# Altium PCB DIOT_Backplane.pcbdoc (part 10 of 11) (continued)
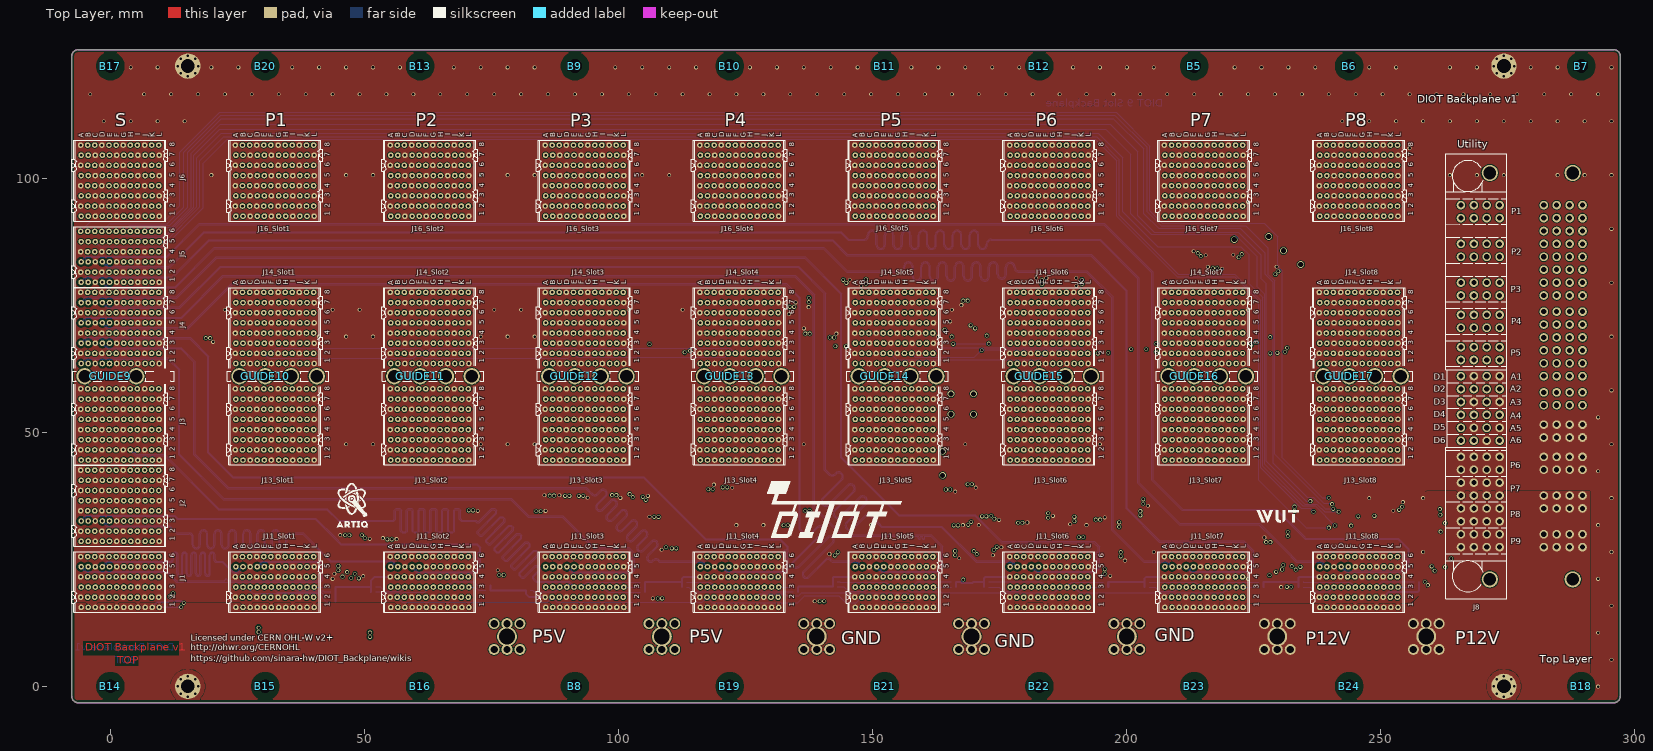
[diagram p0: Top Layer view]
## Nets (pads, with @x,y where several pads share a name; then routed paths per layer and width w, separated by ;. In a path a pad name is that pad's centre, name@x,y a point inside that pad or via, vN(x,y) a via of type N, cw(c..) or ccw(c..) an arc to the next point about the centre after c; other vN are vias at no path point) (continued)
"IO80_Peripheral Slot 4": J13_Slot4.B6 J23_Slot4.B6
"IO80_Peripheral Slot 5": J13_Slot5.B6 J23_Slot5.B6
"IO80_Peripheral Slot 6": J13_Slot6.B6 J23_Slot6.B6
"IO80_Peripheral Slot 7": J13_Slot7.B6 J23_Slot7.B6
"IO80_Peripheral Slot 8": J13_Slot8.B6 J23_Slot8.B6
"IO81_Peripheral Slot 1": J13_Slot1.C6 J23_Slot1.C6
"IO81_Peripheral Slot 2": J13_Slot2.C6 J23_Slot2.C6
"IO81_Peripheral Slot 3": J13_Slot3.C6 J23_Slot3.C6
"IO81_Peripheral Slot 4": J13_Slot4.C6 J23_Slot4.C6
"IO81_Peripheral Slot 5": J13_Slot5.C6 J23_Slot5.C6
"IO81_Peripheral Slot 6": J13_Slot6.C6 J23_Slot6.C6
"IO81_Peripheral Slot 7": J13_Slot7.C6 J23_Slot7.C6
"IO81_Peripheral Slot 8": J13_Slot8.C6 J23_Slot8.C6
"IO82_Peripheral Slot 1": J13_Slot1.E6 J23_Slot1.E6
"IO82_Peripheral Slot 2": J13_Slot2.E6 J23_Slot2.E6
"IO82_Peripheral Slot 3": J13_Slot3.E6 J23_Slot3.E6
"IO82_Peripheral Slot 4": J13_Slot4.E6 J23_Slot4.E6
"IO82_Peripheral Slot 5": J13_Slot5.E6 J23_Slot5.E6
"IO82_Peripheral Slot 6": J13_Slot6.E6 J23_Slot6.E6
"IO82_Peripheral Slot 7": J13_Slot7.E6 J23_Slot7.E6
"IO82_Peripheral Slot 8": J13_Slot8.E6 J23_Slot8.E6
"IO83_Peripheral Slot 1": J13_Slot1.F6 J23_Slot1.F6
"IO83_Peripheral Slot 2": J13_Slot2.F6 J23_Slot2.F6
"IO83_Peripheral Slot 3": J13_Slot3.F6 J23_Slot3.F6
"IO83_Peripheral Slot 4": J13_Slot4.F6 J23_Slot4.F6
"IO83_Peripheral Slot 5": J13_Slot5.F6 J23_Slot5.F6
"IO83_Peripheral Slot 6": J13_Slot6.F6 J23_Slot6.F6
"IO83_Peripheral Slot 7": J13_Slot7.F6 J23_Slot7.F6
"IO83_Peripheral Slot 8": J13_Slot8.F6 J23_Slot8.F6
"IO84_Peripheral Slot 1": J13_Slot1.H6 J23_Slot1.H6
"IO84_Peripheral Slot 2": J13_Slot2.H6 J23_Slot2.H6
"IO84_Peripheral Slot 3": J13_Slot3.H6 J23_Slot3.H6
"IO84_Peripheral Slot 4": J13_Slot4.H6 J23_Slot4.H6
"IO84_Peripheral Slot 5": J13_Slot5.H6 J23_Slot5.H6
"IO84_Peripheral Slot 6": J13_Slot6.H6 J23_Slot6.H6
"IO84_Peripheral Slot 7": J13_Slot7.H6 J23_Slot7.H6
"IO84_Peripheral Slot 8": J13_Slot8.H6 J23_Slot8.H6
"IO85_Peripheral Slot 1": J13_Slot1.I6 J23_Slot1.I6
"IO85_Peripheral Slot 2": J13_Slot2.I6 J23_Slot2.I6
"IO85_Peripheral Slot 3": J13_Slot3.I6 J23_Slot3.I6
"IO85_Peripheral Slot 4": J13_Slot4.I6 J23_Slot4.I6
"IO85_Peripheral Slot 5": J13_Slot5.I6 J23_Slot5.I6
"IO85_Peripheral Slot 6": J13_Slot6.I6 J23_Slot6.I6
"IO85_Peripheral Slot 7": J13_Slot7.I6 J23_Slot7.I6
"IO85_Peripheral Slot 8": J13_Slot8.I6 J23_Slot8.I6
"IO86_Peripheral Slot 1": J13_Slot1.K6 J23_Slot1.K6
"IO86_Peripheral Slot 2": J13_Slot2.K6 J23_Slot2.K6
"IO86_Peripheral Slot 3": J13_Slot3.K6 J23_Slot3.K6
"IO86_Peripheral Slot 4": J13_Slot4.K6 J23_Slot4.K6
"IO86_Peripheral Slot 5": J13_Slot5.K6 J23_Slot5.K6
"IO86_Peripheral Slot 6": J13_Slot6.K6 J23_Slot6.K6
"IO86_Peripheral Slot 7": J13_Slot7.K6 J23_Slot7.K6
"IO86_Peripheral Slot 8": J13_Slot8.K6 J23_Slot8.K6
"IO87_Peripheral Slot 1": J13_Slot1.L6 J23_Slot1.L6
"IO87_Peripheral Slot 2": J13_Slot2.L6 J23_Slot2.L6
"IO87_Peripheral Slot 3": J13_Slot3.L6 J23_Slot3.L6
"IO87_Peripheral Slot 4": J13_Slot4.L6 J23_Slot4.L6
"IO87_Peripheral Slot 5": J13_Slot5.L6 J23_Slot5.L6
"IO87_Peripheral Slot 6": J13_Slot6.L6 J23_Slot6.L6
"IO87_Peripheral Slot 7": J13_Slot7.L6 J23_Slot7.L6
"IO87_Peripheral Slot 8": J13_Slot8.L6 J23_Slot8.L6
"IO88_Peripheral Slot 1": J13_Slot1.A7 J23_Slot1.A7
"IO88_Peripheral Slot 2": J13_Slot2.A7 J23_Slot2.A7
"IO88_Peripheral Slot 3": J13_Slot3.A7 J23_Slot3.A7
"IO88_Peripheral Slot 4": J13_Slot4.A7 J23_Slot4.A7
"IO88_Peripheral Slot 5": J13_Slot5.A7 J23_Slot5.A7
"IO88_Peripheral Slot 6": J13_Slot6.A7 J23_Slot6.A7
"IO88_Peripheral Slot 7": J13_Slot7.A7 J23_Slot7.A7
"IO88_Peripheral Slot 8": J13_Slot8.A7 J23_Slot8.A7
"IO89_Peripheral Slot 1": J13_Slot1.B7 J23_Slot1.B7
"IO89_Peripheral Slot 2": J13_Slot2.B7 J23_Slot2.B7
"IO89_Peripheral Slot 3": J13_Slot3.B7 J23_Slot3.B7
"IO89_Peripheral Slot 4": J13_Slot4.B7 J23_Slot4.B7
"IO89_Peripheral Slot 5": J13_Slot5.B7 J23_Slot5.B7
"IO89_Peripheral Slot 6": J13_Slot6.B7 J23_Slot6.B7
"IO89_Peripheral Slot 7": J13_Slot7.B7 J23_Slot7.B7
"IO89_Peripheral Slot 8": J13_Slot8.B7 J23_Slot8.B7
"IO90_Peripheral Slot 1": J13_Slot1.D7 J23_Slot1.D7
"IO90_Peripheral Slot 2": J13_Slot2.D7 J23_Slot2.D7
"IO90_Peripheral Slot 3": J13_Slot3.D7 J23_Slot3.D7
"IO90_Peripheral Slot 4": J13_Slot4.D7 J23_Slot4.D7
"IO90_Peripheral Slot 5": J13_Slot5.D7 J23_Slot5.D7
"IO90_Peripheral Slot 6": J13_Slot6.D7 J23_Slot6.D7
"IO90_Peripheral Slot 7": J13_Slot7.D7 J23_Slot7.D7
"IO90_Peripheral Slot 8": J13_Slot8.D7 J23_Slot8.D7
"IO91_Peripheral Slot 1": J13_Slot1.E7 J23_Slot1.E7
"IO91_Peripheral Slot 2": J13_Slot2.E7 J23_Slot2.E7
"IO91_Peripheral Slot 3": J13_Slot3.E7 J23_Slot3.E7
"IO91_Peripheral Slot 4": J13_Slot4.E7 J23_Slot4.E7
"IO91_Peripheral Slot 5": J13_Slot5.E7 J23_Slot5.E7
"IO91_Peripheral Slot 6": J13_Slot6.E7 J23_Slot6.E7
"IO91_Peripheral Slot 7": J13_Slot7.E7 J23_Slot7.E7
"IO91_Peripheral Slot 8": J13_Slot8.E7 J23_Slot8.E7
"IO92_Peripheral Slot 1": J13_Slot1.G7 J23_Slot1.G7
"IO92_Peripheral Slot 2": J13_Slot2.G7 J23_Slot2.G7
"IO92_Peripheral Slot 3": J13_Slot3.G7 J23_Slot3.G7
"IO92_Peripheral Slot 4": J13_Slot4.G7 J23_Slot4.G7
"IO92_Peripheral Slot 5": J13_Slot5.G7 J23_Slot5.G7
"IO92_Peripheral Slot 6": J13_Slot6.G7 J23_Slot6.G7
"IO92_Peripheral Slot 7": J13_Slot7.G7 J23_Slot7.G7
"IO92_Peripheral Slot 8": J13_Slot8.G7 J23_Slot8.G7
"IO93_Peripheral Slot 1": J13_Slot1.H7 J23_Slot1.H7
"IO93_Peripheral Slot 2": J13_Slot2.H7 J23_Slot2.H7
"IO93_Peripheral Slot 3": J13_Slot3.H7 J23_Slot3.H7
"IO93_Peripheral Slot 4": J13_Slot4.H7 J23_Slot4.H7
"IO93_Peripheral Slot 5": J13_Slot5.H7 J23_Slot5.H7
"IO93_Peripheral Slot 6": J13_Slot6.H7 J23_Slot6.H7
"IO93_Peripheral Slot 7": J13_Slot7.H7 J23_Slot7.H7
"IO93_Peripheral Slot 8": J13_Slot8.H7 J23_Slot8.H7
"IO94_Peripheral Slot 1": J13_Slot1.J7 J23_Slot1.J7
"IO94_Peripheral Slot 2": J13_Slot2.J7 J23_Slot2.J7
"IO94_Peripheral Slot 3": J13_Slot3.J7 J23_Slot3.J7
"IO94_Peripheral Slot 4": J13_Slot4.J7 J23_Slot4.J7
"IO94_Peripheral Slot 5": J13_Slot5.J7 J23_Slot5.J7
"IO94_Peripheral Slot 6": J13_Slot6.J7 J23_Slot6.J7
"IO94_Peripheral Slot 7": J13_Slot7.J7 J23_Slot7.J7
"IO94_Peripheral Slot 8": J13_Slot8.J7 J23_Slot8.J7
"IO95_Peripheral Slot 1": J13_Slot1.K7 J23_Slot1.K7
"IO95_Peripheral Slot 2": J13_Slot2.K7 J23_Slot2.K7
"IO95_Peripheral Slot 3": J13_Slot3.K7 J23_Slot3.K7
"IO95_Peripheral Slot 4": J13_Slot4.K7 J23_Slot4.K7
"IO95_Peripheral Slot 5": J13_Slot5.K7 J23_Slot5.K7
"IO95_Peripheral Slot 6": J13_Slot6.K7 J23_Slot6.K7
"IO95_Peripheral Slot 7": J13_Slot7.K7 J23_Slot7.K7
"IO95_Peripheral Slot 8": J13_Slot8.K7 J23_Slot8.K7
"IO96_Peripheral Slot 1": J13_Slot1.B8 J23_Slot1.B8
"IO96_Peripheral Slot 2": J13_Slot2.B8 J23_Slot2.B8
"IO96_Peripheral Slot 3": J13_Slot3.B8 J23_Slot3.B8
"IO96_Peripheral Slot 4": J13_Slot4.B8 J23_Slot4.B8
"IO96_Peripheral Slot 5": J13_Slot5.B8 J23_Slot5.B8
"IO96_Peripheral Slot 6": J13_Slot6.B8 J23_Slot6.B8
"IO96_Peripheral Slot 7": J13_Slot7.B8 J23_Slot7.B8
"IO96_Peripheral Slot 8": J13_Slot8.B8 J23_Slot8.B8
"IO97_Peripheral Slot 1": J13_Slot1.C8 J23_Slot1.C8
"IO97_Peripheral Slot 2": J13_Slot2.C8 J23_Slot2.C8
"IO97_Peripheral Slot 3": J13_Slot3.C8 J23_Slot3.C8
"IO97_Peripheral Slot 4": J13_Slot4.C8 J23_Slot4.C8
"IO97_Peripheral Slot 5": J13_Slot5.C8 J23_Slot5.C8
"IO97_Peripheral Slot 6": J13_Slot6.C8 J23_Slot6.C8
"IO97_Peripheral Slot 7": J13_Slot7.C8 J23_Slot7.C8
"IO97_Peripheral Slot 8": J13_Slot8.C8 J23_Slot8.C8
"IO98_Peripheral Slot 1": J13_Slot1.E8 J23_Slot1.E8
"IO98_Peripheral Slot 2": J13_Slot2.E8 J23_Slot2.E8
"IO98_Peripheral Slot 3": J13_Slot3.E8 J23_Slot3.E8
"IO98_Peripheral Slot 4": J13_Slot4.E8 J23_Slot4.E8
"IO98_Peripheral Slot 5": J13_Slot5.E8 J23_Slot5.E8
"IO98_Peripheral Slot 6": J13_Slot6.E8 J23_Slot6.E8
"IO98_Peripheral Slot 7": J13_Slot7.E8 J23_Slot7.E8
"IO98_Peripheral Slot 8": J13_Slot8.E8 J23_Slot8.E8
"IO99_Peripheral Slot 1": J13_Slot1.F8 J23_Slot1.F8
"IO99_Peripheral Slot 2": J13_Slot2.F8 J23_Slot2.F8
"IO99_Peripheral Slot 3": J13_Slot3.F8 J23_Slot3.F8
"IO99_Peripheral Slot 4": J13_Slot4.F8 J23_Slot4.F8
"IO99_Peripheral Slot 5": J13_Slot5.F8 J23_Slot5.F8
"IO99_Peripheral Slot 6": J13_Slot6.F8 J23_Slot6.F8
"IO99_Peripheral Slot 7": J13_Slot7.F8 J23_Slot7.F8
"IO99_Peripheral Slot 8": J13_Slot8.F8 J23_Slot8.F8
"IO100_Peripheral Slot 1": J13_Slot1.H8 J23_Slot1.H8
"IO100_Peripheral Slot 2": J13_Slot2.H8 J23_Slot2.H8
"IO100_Peripheral Slot 3": J13_Slot3.H8 J23_Slot3.H8
"IO100_Peripheral Slot 4": J13_Slot4.H8 J23_Slot4.H8
"IO100_Peripheral Slot 5": J13_Slot5.H8 J23_Slot5.H8
"IO100_Peripheral Slot 6": J13_Slot6.H8 J23_Slot6.H8
"IO100_Peripheral Slot 7": J13_Slot7.H8 J23_Slot7.H8
"IO100_Peripheral Slot 8": J13_Slot8.H8 J23_Slot8.H8
"IO101_Peripheral Slot 1": J13_Slot1.I8 J23_Slot1.I8
"IO101_Peripheral Slot 2": J13_Slot2.I8 J23_Slot2.I8
"IO101_Peripheral Slot 3": J13_Slot3.I8 J23_Slot3.I8
"IO101_Peripheral Slot 4": J13_Slot4.I8 J23_Slot4.I8
"IO101_Peripheral Slot 5": J13_Slot5.I8 J23_Slot5.I8
"IO101_Peripheral Slot 6": J13_Slot6.I8 J23_Slot6.I8
"IO101_Peripheral Slot 7": J13_Slot7.I8 J23_Slot7.I8
"IO101_Peripheral Slot 8": J13_Slot8.I8 J23_Slot8.I8
"IO102_Peripheral Slot 1": J13_Slot1.K8 J23_Slot1.K8
"IO102_Peripheral Slot 2": J13_Slot2.K8 J23_Slot2.K8
"IO102_Peripheral Slot 3": J13_Slot3.K8 J23_Slot3.K8
"IO102_Peripheral Slot 4": J13_Slot4.K8 J23_Slot4.K8
"IO102_Peripheral Slot 5": J13_Slot5.K8 J23_Slot5.K8
"IO102_Peripheral Slot 6": J13_Slot6.K8 J23_Slot6.K8
"IO102_Peripheral Slot 7": J13_Slot7.K8 J23_Slot7.K8
"IO102_Peripheral Slot 8": J13_Slot8.K8 J23_Slot8.K8
"IO103_Peripheral Slot 1": J13_Slot1.L8 J23_Slot1.L8
"IO103_Peripheral Slot 2": J13_Slot2.L8 J23_Slot2.L8
"IO103_Peripheral Slot 3": J13_Slot3.L8 J23_Slot3.L8
"IO103_Peripheral Slot 4": J13_Slot4.L8 J23_Slot4.L8
"IO103_Peripheral Slot 5": J13_Slot5.L8 J23_Slot5.L8
"IO103_Peripheral Slot 6": J13_Slot6.L8 J23_Slot6.L8
"IO103_Peripheral Slot 7": J13_Slot7.L8 J23_Slot7.L8
"IO103_Peripheral Slot 8": J13_Slot8.L8 J23_Slot8.L8
M_SCL: J2.A7 J8.C2 | length 374.6
  L12 w0.102: J2.A7@-5.78,40.55 -4.584,41.746 10.256,41.746 15.057,36.945 15.057,31.992 17.241,29.808 42.667,29.808 48.585,23.89 48.585,22.798 48.915,22.467 v1(48.915,21.248) ; v1(258.744,20.588) 263.528,20.588 267.089,24.149 275.452,24.149 277.479,26.176 277.479,55.524 275.813,57.189 269.567,57.189 J8.C2@268.236,58.52
  L6 w0.102: v1(48.915,21.248) 48.915,9.945 50.033,8.828 65.857,8.828 73.307,16.278 82.931,16.278 87.181,12.028 99.512,12.028 103.457,15.973 113.97,15.973 117.483,12.46 130.347,12.46 133.784,15.897 144.729,15.897 148.039,12.587 161.64,12.587 166.322,17.268 173.66,17.268 177.503,13.425 192.247,13.425 195.227,16.405 205.029,16.405 208.085,13.349 222.549,13.349 226.215,17.014 234.188,17.014 238.641,12.561 252.013,12.561 258.744,19.292 v1(258.744,20.588)
M_SDA: J2.B7 J8.B1 | length 374.1
  L12 w0.102: J2.B7@-4.38,40.55 -3.438,41.492 10.104,41.492 14.676,36.92 14.676,31.764 17.089,29.351 42.566,29.351 48.102,23.815 v1(48.102,22.163) ; v1(259.354,19.927) 264.193,19.927 267.825,23.56 276.011,23.56 278.201,25.75 278.201,56.732 275.229,59.704 272.132,59.704 J8.B1@270.776,61.06
  L6 w0.102: v1(48.102,22.163) 48.102,9.92 49.596,8.426 66.023,8.426 73.473,15.876 82.765,15.876 87.014,11.626 99.678,11.626 103.623,15.571 113.804,15.571 117.317,12.058 130.514,12.058 133.951,15.495 144.563,15.495 147.873,12.185 161.807,12.185 166.488,16.866 173.494,16.866 177.337,13.023 192.414,13.023 195.393,16.003 204.863,16.003 207.918,12.947 222.716,12.947 226.381,16.612 234.022,16.612 238.475,12.159 252.18,12.159 259.354,19.333 v1(259.354,19.927)
P5V: BUSH5.1 BUSH6.1 J1.B1 J7.P5 J8.P5 J11_Slot1.B1 J11_Slot2.B1 J11_Slot3.B1 J11_Slot4.B1 J11_Slot5.B1 J11_Slot6.B1 J11_Slot7.B1 J11_Slot8.B1
P12V: BUSH1.1 BUSH3.1 J1.A1 J1.D1 J1.E1 J1.G1 J1.H1 J1.J1 J1.K1 J7.P1 J7.P2 J8.P8 J8.P9 J11_Slot1.A1 J11_Slot1.D1 J11_Slot1.E1 J11_Slot1.G1 J11_Slot1.H1 J11_Slot1.J1 J11_Slot1.K1 J11_Slot2.A1 J11_Slot2.D1 J11_Slot2.E1 J11_Slot2.G1 J11_Slot2.H1 J11_Slot2.J1 J11_Slot2.K1 J11_Slot3.A1 J11_Slot3.D1 J11_Slot3.E1 J11_Slot3.G1 J11_Slot3.H1 J11_Slot3.J1 J11_Slot3.K1 J11_Slot4.A1 J11_Slot4.D1 J11_Slot4.E1 J11_Slot4.G1 J11_Slot4.H1 J11_Slot4.J1 J11_Slot4.K1 J11_Slot5.A1 J11_Slot5.D1 J11_Slot5.E1 J11_Slot5.G1 J11_Slot5.H1 J11_Slot5.J1 J11_Slot5.K1 J11_Slot6.A1 J11_Slot6.D1 J11_Slot6.E1 J11_Slot6.G1 J11_Slot6.H1 J11_Slot6.J1 J11_Slot6.K1 J11_Slot7.A1 J11_Slot7.D1 J11_Slot7.E1 J11_Slot7.G1 J11_Slot7.H1 J11_Slot7.J1 J11_Slot7.K1 J11_Slot8.A1 J11_Slot8.D1 J11_Slot8.E1 J11_Slot8.G1 J11_Slot8.H1 J11_Slot8.J1 J11_Slot8.K1 NT1.2 | length 4.6
  Bottom Layer w0.3: J1.K1@8.22,15.55 8.22,15.605 9.189,16.575 11.323,16.575 11.552,16.803 12.249,16.803
P12V_Sense: J8.D2 NT1.1 | length 348.7
  L10 w0.3: v1(14.447,16.422) 16.969,13.9 50.62,13.9 56.37,8.15 64.17,8.15 69.77,2.55 83.52,2.55 88.369,7.399 97.871,7.399 103.22,2.05 113.77,2.05 118.369,6.649 128.371,6.649 132.37,2.65 144.12,2.65 148.869,7.399 159.871,7.399 164.97,2.3 175.27,2.3 180.369,7.399 188.77,7.399 193.27,2.899 206.119,2.899 210.619,7.399 218.871,7.399 223.72,2.55 236.27,2.55 241.619,7.899 249.371,7.899 252.459,4.811 261.863,4.811 275.82,18.767 275.82,58.502 274.526,59.795 267.125,59.795 J8.D2@265.85,58.52
  Bottom Layer w0.3: 12.73,16.8 14.069,16.8 v1(14.447,16.422)
P_IO0: J2.C8 J8.C4 | length 292.3
  L2 w0.102: v1(245.62,33.45) 246.12,32.95 257.22,32.95 264.52,40.25 264.52,51.55 265.02,52.05 267,52.05 J8.C4@268.39,53.44
  L6 w0.102: J2.C8@-3.08,42.55 -2.173,43.457 16.863,43.457 20.795,39.525 114.195,39.525 117.51,36.21 145.26,36.21 146.82,34.65 174.12,34.65 174.82,33.95 182.92,33.95 183.555,34.585 198.785,34.585 200.52,32.85 219.895,32.85 220.395,33.35 245.52,33.35 v1(245.62,33.45)
P_IO1: J2.D7 J8.C6 | length 346.9
  L10 w0.102: v1(261.843,30.468) 261.843,32.623 263.637,34.417 263.637,47.91 265.297,49.57 267.18,49.57 J8.C6@268.39,48.36
  L12 w0.102: J2.D7@-1.58,40.55 -1.22,40.55 -0.013,39.343 10.043,39.343 13.152,36.234 13.152,31.053 16.403,27.801 41.744,27.801 45.689,23.856 v1(45.689,21.604)
  L6 w0.102: v1(45.689,21.604) 45.689,9.793 48.262,7.22 66.523,7.22 73.973,14.67 82.265,14.67 86.515,10.42 100.178,10.42 104.123,14.365 113.304,14.365 116.817,10.852 131.013,10.852 134.45,14.289 144.063,14.289 147.373,10.979 162.306,10.979 166.988,15.66 172.994,15.66 176.837,11.817 192.913,11.817 195.893,14.797 204.363,14.797 207.419,11.741 223.215,11.741 226.881,15.406 233.522,15.406 237.975,10.953 252.679,10.953 261.843,20.117 v1(261.843,30.468)
P_IO2: J2.E7 J8.B4 | length 352.3
  L10 w0.102: v1(260.675,22.747) 261.02,23.092 261.02,50.767 264.908,54.655 269.715,54.655 J8.B4@270.93,53.44
  L12 w0.102: J2.E7@-0.18,40.55 0.76,39.61 10.284,39.61 13.558,36.336 13.558,31.357 16.53,28.386 41.909,28.386 46.578,23.717 v1(46.578,22.493)
  L6 w0.102: v1(46.578,22.493) 46.578,10.047 49.003,7.622 66.356,7.622 73.806,15.072 82.432,15.072 86.681,10.822 100.011,10.822 103.956,14.767 113.471,14.767 116.984,11.254 130.847,11.254 134.284,14.691 144.23,14.691 147.54,11.381 162.14,11.381 166.821,16.062 173.161,16.062 177.004,12.219 192.747,12.219 195.726,15.199 204.53,15.199 207.585,12.143 223.049,12.143 226.714,15.808 233.689,15.808 238.142,11.355 252.513,11.355 260.675,19.517 v1(260.675,22.747)
P_PRES1: J2.G7 J8.D5 | length 285.5
  L10 w0.102: v1(261.818,33.77) 262.895,34.848 262.895,47.945 J8.D5@265.85,50.9
  L6 w0.102: J2.G7@2.62,40.55 3.766,41.696 15.749,41.696 18.524,38.921 112.562,38.921 113.908,37.575 113.983,37.501 114.057,37.426 115.831,35.652 144.318,35.652 146.92,33.05 167.62,33.05 167.684,33.114 170.744,33.114 171.708,32.15 177.22,32.15 178.02,32.95 182.22,32.95 183.02,32.15 185.92,32.15 187.72,33.95 198.02,33.95 200.02,31.95 221.035,31.95 221.635,32.55 260.597,32.55 v1(261.818,33.77)
P_PRES2: J2.H7 J8.D6 | length 283.6
  L10 w0.102: v1(262.732,32.145) 264.167,33.579 264.167,46.677 J8.D6@265.85,48.36
  L6 w0.102: J2.H7@4.02,40.55 4.927,41.457 15.088,41.457 17.945,38.6 110.67,38.6 113.92,35.35 143.52,35.35 146.42,32.45 168.12,32.45 168.58,32.91 170.66,32.91 172.02,31.55 188.514,31.55 188.701,31.363 189.533,31.363 190.62,32.45 193.17,32.45 193.77,31.85 196.32,31.85 197.82,30.35 215.32,30.35 216.12,31.15 232.52,31.15 232.942,30.728 241.498,30.728 242.948,32.178 253.246,32.178 253.279,32.145 v1(262.732,32.145)
P_RST: J2.B8 J8.B5 | length 298.3
  L10 w0.102: v1(261.716,34.888) 262.32,35.492 262.32,49.524 264.961,52.166 269.664,52.166 J8.B5@270.93,50.9
  L6 w0.102: J2.B8@-4.48,42.55 -3.369,43.661 19.365,43.661 23.126,39.9 114.845,39.9 118.289,36.456 145.72,36.456 147.247,34.929 174.341,34.929 174.92,34.35 182.72,34.35 183.32,34.95 199.02,34.95 200.853,33.117 214.39,33.117 215.125,33.852 241.533,33.852 241.537,33.848 242.518,33.848 243.22,34.55 251.42,34.55 252.52,33.45 260.278,33.45 v1(261.716,34.888)
PRST_N: J1.H2 J8.A6 | length 325.1
  L10 w0.102: v1(262.732,23.483) 262.732,30.551 264.538,32.357 264.538,45.809 265.649,46.92 272.03,46.92 J8.A6@273.47,48.36
  L12 w0.102: J1.H2@3.92,17.55 4.646,16.824 11.023,16.824 14.12,13.727 60.726,13.727 72.89,1.563 84.551,1.563 88.539,5.551 99.881,5.551 102.855,2.576 116.375,2.576 119.146,5.348 125.979,5.348 128.849,2.478 145.359,2.478 148.432,5.551 155.646,5.551 158.77,2.427 176.55,2.427 179.7,5.576 192.067,5.576 195.584,2.059 202.687,2.059 207.598,6.971 218.079,6.971 222.702,2.348 234.487,2.348 245.663,13.524 252.773,13.524 255.696,16.448 255.696,20.08 257.881,22.264 257.881,23.077 259.176,24.372 261.843,24.372 v1(262.732,23.483)
PS_ON_N: J1.E2 J8.D3 | length 351.8
  L12 w0.102: J1.E2@-0.28,17.55 0.698,16.572 10.615,16.572 14.094,13.092 60.853,13.092 72.864,1.081 84.805,1.081 88.869,5.145 99.601,5.145 102.534,2.212 116.67,2.212 119.476,5.018 125.598,5.018 128.722,1.893 145.41,1.893 148.712,5.195 155.417,5.195 158.668,1.944 176.702,1.944 179.954,5.195 191.914,5.195 195.558,1.551 203.169,1.551 208.081,6.463 218.003,6.463 222.499,1.967 234.64,1.967 245.841,13.168 253.484,13.168 256.154,15.838 256.154,19.775 258.516,22.137 262.453,22.137 263.941,23.626 v1(263.941,25.164)
  L6 w0.102: v1(263.941,25.164) 273.634,25.164 276.52,28.05 276.52,55.55 274.858,57.212 267.082,57.212 J8.D3@265.85,55.98
PWRBTN_N: J1.C3 J8.A4 | length 355.6
  L12 w0.102: J1.C3@-2.98,19.55 -3.825,18.705 -6.33,18.705 -6.863,18.172 -6.863,14.794 -4.222,12.152 60.59,12.152 72.601,0.141 85.339,0.141 89.479,4.281 98.941,4.281 101.899,1.323 116.924,1.323 119.933,4.332 124.988,4.332 128.315,1.004 145.943,1.004 149.22,4.281 154.935,4.281 158.389,0.827 177.083,0.827 180.639,4.383 191.626,4.383 195.223,0.786 203.928,0.786 208.614,5.472 217.901,5.472 222.143,1.23 234.995,1.23 246.324,12.559 254.22,12.559 257.119,15.457 257.119,19.927 258.414,21.223 263.241,21.223 266.811,24.793 275.34,24.793 276.724,26.177 276.724,52.847 276.124,53.447 273.477,53.447 J8.A4@273.47,53.44
PWRFAIL_N: J1.F3 J8.D4 | length 363
  L12 w0.102: J1.F3@1.22,19.55 0.071,18.401 -6.305,18.401 -6.659,18.046 -6.659,16.952 -6.025,16.318 10.31,16.318 13.993,12.635 60.701,12.635 72.737,0.598 85.034,0.598 89.225,4.789 99.246,4.789 102.255,1.78 116.848,1.78 119.756,4.687 125.267,4.687 128.544,1.411 145.638,1.411 148.966,4.738 155.239,4.738 158.567,1.411 176.829,1.411 180.182,4.764 191.803,4.764 195.4,1.167 203.623,1.167 208.385,5.929 217.977,5.929 222.346,1.56 234.818,1.56 246.095,12.838 253.662,12.838 256.712,15.889 256.712,19.902 258.414,21.604 262.726,21.604 266.571,25.449 275.163,25.449 275.858,26.144 275.858,51.785 275.458,52.185 266.776,52.185 266.716,52.245 266.716,52.256 265.696,53.276 J8.D4@265.696,53.44
RST#: J1.F2 J11_Slot1.H2 J11_Slot2.H2 J11_Slot3.H2 J11_Slot4.H2 J11_Slot5.H2 J11_Slot6.H2 J11_Slot7.H2 J11_Slot8.H2 | length 258.3
  L2 w0.102: J11_Slot2.H2@64.88,17.55 65.731,18.401 68.821,18.401 69.095,18.675 84.196,18.675 84.396,18.475 94.435,18.475 J11_Slot3.H2@95.36,17.55
  L4 w0.102: J11_Slot3.H2@95.36,17.55 96.119,18.309 101.686,18.309 103.271,16.724 125.014,16.724 J11_Slot4.H2@125.84,17.55 ; J11_Slot5.H2@156.32,17.55 157.298,16.572 185.822,16.572 J11_Slot6.H2@186.8,17.55 187.778,16.572 216.302,16.572 J11_Slot7.H2@217.28,17.55 218.18,16.65 246.86,16.65 J11_Slot8.H2@247.76,17.55
  L10 w0.102: J11_Slot4.H2@125.84,17.55 126.844,16.546 132.377,16.546 135.3,19.47 143.352,19.47 146.222,16.6 155.316,16.546 J11_Slot5.H2@156.32,17.55
  L12 w0.102: J1.F2@1.12,17.55 2.25,18.68 10.37,18.68 11.132,19.443 15.127,19.443 17.795,16.775 33.625,16.775 J11_Slot1.H2@34.4,17.55 35.53,18.68 40.914,18.68 42.895,16.699 64.029,16.699 J11_Slot2.H2@64.88,17.55
RTM_SHARED_BUS0: J7.A1 J14_Slot1.B2 J14_Slot2.B2 J14_Slot3.B2 J14_Slot4.B2 J14_Slot5.B2 J14_Slot6.B2 J14_Slot7.B2 J14_Slot8.B2 J24_Slot1.B2 J24_Slot2.B2 J24_Slot3.B2 J24_Slot4.B2 J24_Slot5.B2 J24_Slot6.B2 J24_Slot7.B2 J24_Slot8.B2 | length 460
  L2 w0.15: J14_Slot1.B2@26,65.55 26.9,66.45 55.58,66.45 J14_Slot2.B2@56.48,65.55 57.207,66.277 86.233,66.277 J14_Slot3.B2@86.96,65.55 88.012,66.602 101.62,66.602 102.958,67.94 113.93,67.94 115.268,66.602 116.388,66.602 J14_Slot4.B2@117.44,65.55 118.167,66.277 131.741,66.277 131.82,66.198 143.049,66.198 143.128,66.277 147.193,66.277 J14_Slot5.B2@147.92,65.55 149.147,66.777 162.863,66.777 164.22,68.134 v1(164.22,70.15)
  L4 w0.15: v1(194.388,65.533) 194.923,64.998 206.149,64.998 206.664,65.513 206.664,65.762 207.179,66.277 208.153,66.277 J14_Slot7.B2@208.88,65.55 ; v1(224.583,67.2) 224.598,67.186 226.288,67.186 226.436,67.038 227.965,67.038 228.277,67.35 231.701,67.35 232.774,66.277 238.633,66.277 J14_Slot8.B2@239.36,65.55
  L10 w0.15: J14_Slot6.B2@178.4,65.55 179.303,66.453 193.469,66.453 v1(194.388,65.533) ; J14_Slot7.B2@208.88,65.55 210.03,66.7 224.041,66.7 224.541,67.2 v1(224.583,67.2)
  L12 w0.15: J14_Slot5.B2@147.92,65.55 149.039,64.431 177.281,64.431 J14_Slot6.B2@178.4,65.55
  L6 w0.15: v1(164.22,70.15) 164.22,72.05 164.22,105.35 169.52,110.65 173.42,114.55 285.72,114.55 293.52,106.75 293.52,64.8 J7.A1@289.78,61.06
RTM_SHARED_BUS1: J7.A2 J14_Slot1.C2 J14_Slot2.C2 J14_Slot3.C2 J14_Slot4.C2 J14_Slot5.C2 J14_Slot6.C2 J14_Slot7.C2 J14_Slot8.C2 J24_Slot1.C2 J24_Slot2.C2 J24_Slot3.C2 J24_Slot4.C2 J24_Slot5.C2 J24_Slot6.C2 J24_Slot7.C2 J24_Slot8.C2 | length 454.4
  L2 w0.15: J14_Slot6.C2@179.8,65.55 180.9,64.45 195.212,64.45 v1(196.433,65.671)
  L4 w0.15: v1(225.508,67.738) 229.757,67.738 230.17,68.15 234.671,68.15 236.292,66.529 239.781,66.529 J14_Slot8.C2@240.76,65.55
  L10 w0.15: J14_Slot7.C2@210.28,65.55 211.017,66.287 224.857,66.287 225.508,66.938 v1(225.508,67.738)
  L12 w0.15: J14_Slot5.C2@149.32,65.55 150.047,64.823 174.493,64.823 175.947,66.277 179.073,66.277 J14_Slot6.C2@179.8,65.55 ; v1(196.433,65.671) 199.099,65.671 199.52,65.25 206.152,65.25 207.179,66.277 209.553,66.277 J14_Slot7.C2@210.28,65.55
  L6 w0.15: J14_Slot1.C2@27.4,65.55 28.127,66.277 57.153,66.277 J14_Slot2.C2@57.88,65.55 58.607,66.277 87.633,66.277 J14_Slot3.C2@88.36,65.55 89.56,66.75 117.64,66.75 J14_Slot4.C2@118.84,65.55 120.092,66.802 134.072,66.802 135.254,67.984 145.086,67.984 146.62,66.45 148.42,66.45 J14_Slot5.C2@149.32,65.55 150.12,66.35 161.92,66.35 166.32,70.75 166.32,105.55 174.42,113.65 285.72,113.65 293.02,106.35 293.02,66.84 J7.A2@289.78,63.6
RTM_SHARED_BUS2: J7.A3 J14_Slot1.E2 J14_Slot2.E2 J14_Slot3.E2 J14_Slot4.E2 J14_Slot5.E2 J14_Slot6.E2 J14_Slot7.E2 J14_Slot8.E2 J24_Slot1.E2 J24_Slot2.E2 J24_Slot3.E2 J24_Slot4.E2 J24_Slot5.E2 J24_Slot6.E2 J24_Slot7.E2 J24_Slot8.E2 | length 431.5
  L10 w0.15: v1(144.808,66.911) 145.442,66.277 151.393,66.277 J14_Slot5.E2@152.12,65.55 ; v1(231.62,66.65) 234.32,66.65 234.693,66.277 242.833,66.277 J14_Slot8.E2@243.56,65.55
  L12 w0.15: J14_Slot5.E2@152.12,65.55 153.12,66.55 163.32,66.55 v1(165.62,68.85) 170.755,68.85 173.076,66.529 181.621,66.529 J14_Slot6.E2@182.6,65.55 182.782,65.368 183.156,65.368 183.273,65.251 183.273,65.249 183.699,64.823 212.353,64.823 J14_Slot7.E2@213.08,65.55 214.18,64.45 225.02,64.45 227.22,66.65 v1(231.62,66.65)
  L6 w0.15: J14_Slot4.E2@121.64,65.55 122.619,66.529 135.499,66.529 136.572,67.602 144.268,67.602 144.808,67.062 v1(144.808,66.911) ; v1(165.62,68.85) 166.968,70.198 166.968,88.998 167.42,89.45 167.42,104.65 175.62,112.85 285.72,112.85 292.52,106.05 292.52,68.88 J7.A3@289.78,66.14
  Bottom Layer w0.15: J14_Slot1.E2@30.2,65.55 31.2,64.55 59.68,64.55 J14_Slot2.E2@60.68,65.55 61.68,64.55 90.16,64.55 J14_Slot3.E2@91.16,65.55 91.887,64.823 120.913,64.823 J14_Slot4.E2@121.64,65.55
RTM_SHARED_BUS3: J7.A4 J14_Slot1.F2 J14_Slot2.F2 J14_Slot3.F2 J14_Slot4.F2 J14_Slot5.F2 J14_Slot6.F2 J14_Slot7.F2 J14_Slot8.F2 J24_Slot1.F2 J24_Slot2.F2 J24_Slot3.F2 J24_Slot4.F2 J24_Slot5.F2 J24_Slot6.F2 J24_Slot7.F2 J24_Slot8.F2 | length 441.1
  L2 w0.15: J14_Slot5.F2@153.52,65.55 154.426,66.456 163.624,66.456 165.265,68.098 166.368,68.098 v1(169.32,71.05) ; v1(205.92,65.85) 206.347,66.277 213.753,66.277 J14_Slot7.F2@214.48,65.55
  L10 w0.15: v1(142.72,66.95) 143.233,67.463 145.107,67.463 146.02,66.55 152.52,66.55 J14_Slot5.F2@153.52,65.55 ; v1(228.32,68.75) 233.72,68.75 235.82,66.65 243.86,66.65 J14_Slot8.F2@244.96,65.55
  L12 w0.15: J14_Slot6.F2@184,65.55 184.852,66.402 199.268,66.402 200.12,65.55 204.719,65.55 205.019,65.85 v1(205.92,65.85) ; J14_Slot7.F2@214.48,65.55 215.207,64.823 224.393,64.823 v1(228.32,68.75)
  L6 w0.15: J14_Slot4.F2@123.04,65.55 123.767,66.277 140.247,66.277 140.92,66.95 v1(142.72,66.95) ; v1(169.32,71.05) 169.32,104.85 176.52,112.05 285.62,112.05 291.92,105.75 291.92,70.82 J7.A4@289.78,68.68
  Bottom Layer w0.15: J14_Slot1.F2@31.6,65.55 32.6,66.55 61.08,66.55 J14_Slot2.F2@62.08,65.55 63.08,66.55 91.56,66.55 J14_Slot3.F2@92.56,65.55 93.612,66.602 121.988,66.602 J14_Slot4.F2@123.04,65.55 ; J14_Slot5.F2@153.52,65.55 154.751,64.319 182.769,64.319 J14_Slot6.F2@184,65.55

## Text inside footprints (layer, text, board x,y; h text height)
J14_Slot6: Top Overlay "L" at 193,79.179 h1 r90; Top Overlay "8" at 195.55,77.233 h1 r90; Top Overlay "7" at 195.55,75.233 h1 r90; Top Overlay "K" at 191.6,79.083 h1 r90; Top Overlay "J" at 190.2,79.274 h1 r90; Top Overlay "6" at 195.55,73.281 h1 r90; Top Overlay "5" at 195.55,71.233 h1 r90; Top Overlay "I" at 188.8,79.5 h1 r90; Top Overlay "H" at 187.4,79.083 h1 r90; Top Overlay "G" at 186,79.036 h1 r90; Top Overlay "4" at 195.55,69.186 h1 r90; Top Overlay "3" at 195.55,67.233 h1 r90; Top Overlay "2" at 195.55,65.233 h1 r90; Top Overlay "1" at 195.55,63.662 h1 r90; Top Overlay "F" at 184.6,79.131 h1 r90; Top Overlay "E" at 183.2,79.131 h1 r90; Top Overlay "D" at 181.8,79.083 h1 r90; Top Overlay "C" at 180.4,79.036 h1 r90; Top Overlay "B" at 179,79.083 h1 r90; Top Overlay "A" at 177.6,78.988 h1 r90; Mechanical 14 "L" at 192,79.75 h1 r270; Mechanical 14 "8" at 194.55,77.9 h1 r270; Mechanical 14 "7" at 194.55,75.9 h1 r270; Mechanical 14 "K" at 190.6,79.75 h1 r270; Mechanical 14 "J" at 189.2,79.75 h1 r270; Mechanical 14 "6" at 194.55,73.9 h1 r270; Mechanical 14 "5" at 194.55,71.9 h1 r270; Mechanical 14 "I" at 187.8,79.5 h1 r270; Mechanical 14 "H" at 186.4,79.75 h1 r270; Mechanical 14 "G" at 185,79.75 h1 r270; Mechanical 14 "4" at 194.55,69.9 h1 r270; Mechanical 14 "3" at 194.55,67.9 h1 r270; Mechanical 14 "2" at 194.55,65.9 h1 r270; Mechanical 14 "1" at 194.55,63.9 h1 r270; Mechanical 14 "F" at 183.6,79.75 h1 r270; Mechanical 14 "E" at 182.2,79.75 h1 r270; Mechanical 14 "D" at 180.8,79.75 h1 r270; Mechanical 14 "C" at 179.4,79.75 h1 r270; Mechanical 14 "B" at 178,79.75 h1 r270; Mechanical 14 "A" at 176.6,79.75 h1 r270
J14_Slot7: Top Overlay "L" at 223.48,79.179 h1 r90; Top Overlay "8" at 226.03,77.233 h1 r90; Top Overlay "7" at 226.03,75.233 h1 r90; Top Overlay "K" at 222.08,79.083 h1 r90; Top Overlay "J" at 220.68,79.274 h1 r90; Top Overlay "6" at 226.03,73.281 h1 r90; Top Overlay "5" at 226.03,71.233 h1 r90; Top Overlay "I" at 219.28,79.5 h1 r90; Top Overlay "H" at 217.88,79.083 h1 r90; Top Overlay "G" at 216.48,79.036 h1 r90; Top Overlay "4" at 226.03,69.186 h1 r90; Top Overlay "3" at 226.03,67.233 h1 r90; Top Overlay "2" at 226.03,65.233 h1 r90; Top Overlay "1" at 226.03,63.662 h1 r90; Top Overlay "F" at 215.08,79.131 h1 r90; Top Overlay "E" at 213.68,79.131 h1 r90; Top Overlay "D" at 212.28,79.083 h1 r90; Top Overlay "C" at 210.88,79.036 h1 r90; Top Overlay "B" at 209.48,79.083 h1 r90; Top Overlay "A" at 208.08,78.988 h1 r90; Mechanical 14 "L" at 222.48,79.75 h1 r270; Mechanical 14 "8" at 225.03,77.9 h1 r270; Mechanical 14 "7" at 225.03,75.9 h1 r270; Mechanical 14 "K" at 221.08,79.75 h1 r270; Mechanical 14 "J" at 219.68,79.75 h1 r270; Mechanical 14 "6" at 225.03,73.9 h1 r270; Mechanical 14 "5" at 225.03,71.9 h1 r270; Mechanical 14 "I" at 218.28,79.5 h1 r270; Mechanical 14 "H" at 216.88,79.75 h1 r270; Mechanical 14 "G" at 215.48,79.75 h1 r270; Mechanical 14 "4" at 225.03,69.9 h1 r270; Mechanical 14 "3" at 225.03,67.9 h1 r270; Mechanical 14 "2" at 225.03,65.9 h1 r270; Mechanical 14 "1" at 225.03,63.9 h1 r270; Mechanical 14 "F" at 214.08,79.75 h1 r270; Mechanical 14 "E" at 212.68,79.75 h1 r270; Mechanical 14 "D" at 211.28,79.75 h1 r270; Mechanical 14 "C" at 209.88,79.75 h1 r270; Mechanical 14 "B" at 208.48,79.75 h1 r270; Mechanical 14 "A" at 207.08,79.75 h1 r270
J14_Slot8: Top Overlay "8" at 256.51,77.233 h1 r90; Top Overlay "L" at 253.96,79.179 h1 r90; Top Overlay "7" at 256.51,75.233 h1 r90; Top Overlay "K" at 252.56,79.083 h1 r90; Top Overlay "J" at 251.16,79.274 h1 r90; Top Overlay "6" at 256.51,73.281 h1 r90; Top Overlay "5" at 256.51,71.233 h1 r90; Top Overlay "I" at 249.76,79.5 h1 r90; Top Overlay "H" at 248.36,79.083 h1 r90; Top Overlay "G" at 246.96,79.036 h1 r90; Top Overlay "4" at 256.51,69.186 h1 r90; Top Overlay "3" at 256.51,67.233 h1 r90; Top Overlay "2" at 256.51,65.233 h1 r90; Top Overlay "1" at 256.51,63.662 h1 r90; Top Overlay "F" at 245.56,79.131 h1 r90; Top Overlay "E" at 244.16,79.131 h1 r90; Top Overlay "D" at 242.76,79.083 h1 r90; Top Overlay "C" at 241.36,79.036 h1 r90; Top Overlay "B" at 239.96,79.083 h1 r90; Top Overlay "A" at 238.56,78.988 h1 r90; Mechanical 14 "L" at 252.96,79.75 h1 r270; Mechanical 14 "8" at 255.51,77.9 h1 r270; Mechanical 14 "7" at 255.51,75.9 h1 r270; Mechanical 14 "K" at 251.56,79.75 h1 r270; Mechanical 14 "J" at 250.16,79.75 h1 r270; Mechanical 14 "6" at 255.51,73.9 h1 r270; Mechanical 14 "5" at 255.51,71.9 h1 r270; Mechanical 14 "I" at 248.76,79.5 h1 r270; Mechanical 14 "H" at 247.36,79.75 h1 r270; Mechanical 14 "G" at 245.96,79.75 h1 r270; Mechanical 14 "4" at 255.51,69.9 h1 r270; Mechanical 14 "3" at 255.51,67.9 h1 r270; Mechanical 14 "2" at 255.51,65.9 h1 r270; Mechanical 14 "1" at 255.51,63.9 h1 r270; Mechanical 14 "F" at 244.56,79.75 h1 r270; Mechanical 14 "E" at 243.16,79.75 h1 r270; Mechanical 14 "D" at 241.76,79.75 h1 r270; Mechanical 14 "C" at 240.36,79.75 h1 r270; Mechanical 14 "B" at 238.96,79.75 h1 r270; Mechanical 14 "A" at 237.56,79.75 h1 r270
J16_Slot1: Drill Drawing "PRESS-FIT TECHNOLOGY" at 23.85,90.05 h1; Drill Drawing "Diam. 0.5mm +/-0.05" at 23.85,88.55 h1; Top Overlay "L" at 40.6,108.179 h1 r90; Top Overlay "8" at 43.15,106.233 h1 r90; Top Overlay "7" at 43.15,104.233 h1 r90; Top Overlay "K" at 39.2,108.083 h1 r90; Top Overlay "J" at 37.8,108.274 h1 r90; Top Overlay "6" at 43.15,102.281 h1 r90; Top Overlay "5" at 43.15,100.233 h1 r90; Top Overlay "I" at 36.4,108.5 h1 r90; Top Overlay "H" at 35,108.083 h1 r90; Top Overlay "G" at 33.6,108.036 h1 r90; Top Overlay "4" at 43.15,98.186 h1 r90; Top Overlay "3" at 43.15,96.233 h1 r90; Top Overlay "2" at 43.15,94.233 h1 r90; Top Overlay "1" at 43.15,92.662 h1 r90; Top Overlay "F" at 32.2,108.131 h1 r90; Top Overlay "E" at 30.8,108.131 h1 r90; Top Overlay "D" at 29.4,108.083 h1 r90; Top Overlay "C" at 28,108.036 h1 r90; Top Overlay "B" at 26.6,108.083 h1 r90; Top Overlay "A" at 25.2,107.988 h1 r90; Mechanical 14 "L" at 39.6,108.75 h1 r270; Mechanical 14 "8" at 42.15,106.9 h1 r270; Mechanical 14 "7" at 42.15,104.9 h1 r270; Mechanical 14 "K" at 38.2,108.75 h1 r270; Mechanical 14 "J" at 36.8,108.75 h1 r270; Mechanical 14 "6" at 42.15,102.9 h1 r270; Mechanical 14 "5" at 42.15,100.9 h1 r270; Mechanical 14 "I" at 35.4,108.5 h1 r270; Mechanical 14 "H" at 34,108.75 h1 r270; Mechanical 14 "G" at 32.6,108.75 h1 r270; Mechanical 14 "4" at 42.15,98.9 h1 r270; Mechanical 14 "3" at 42.15,96.9 h1 r270; Mechanical 14 "2" at 42.15,94.9 h1 r270; Mechanical 14 "1" at 42.15,92.9 h1 r270; Mechanical 14 "F" at 31.2,108.75 h1 r270; Mechanical 14 "E" at 29.8,108.75 h1 r270; Mechanical 14 "D" at 28.4,108.75 h1 r270; Mechanical 14 "C" at 27,108.75 h1 r270; Mechanical 14 "B" at 25.6,108.75 h1 r270; Mechanical 14 "A" at 24.2,108.75 h1 r270
J16_Slot2: Drill Drawing "PRESS-FIT TECHNOLOGY" at 54.33,90.05 h1; Drill Drawing "Diam. 0.5mm +/-0.05" at 54.33,88.55 h1; Top Overlay "L" at 71.08,108.179 h1 r90; Top Overlay "8" at 73.63,106.233 h1 r90; Top Overlay "7" at 73.63,104.233 h1 r90; Top Overlay "K" at 69.68,108.083 h1 r90; Top Overlay "J" at 68.28,108.274 h1 r90; Top Overlay "6" at 73.63,102.281 h1 r90; Top Overlay "5" at 73.63,100.233 h1 r90; Top Overlay "I" at 66.88,108.5 h1 r90; Top Overlay "H" at 65.48,108.083 h1 r90; Top Overlay "G" at 64.08,108.036 h1 r90; Top Overlay "4" at 73.63,98.186 h1 r90; Top Overlay "3" at 73.63,96.233 h1 r90; Top Overlay "2" at 73.63,94.233 h1 r90; Top Overlay "1" at 73.63,92.662 h1 r90; Top Overlay "F" at 62.68,108.131 h1 r90; Top Overlay "E" at 61.28,108.131 h1 r90; Top Overlay "D" at 59.88,108.083 h1 r90; Top Overlay "C" at 58.48,108.036 h1 r90; Top Overlay "B" at 57.08,108.083 h1 r90; Top Overlay "A" at 55.68,107.988 h1 r90; Mechanical 14 "L" at 70.08,108.75 h1 r270; Mechanical 14 "8" at 72.63,106.9 h1 r270; Mechanical 14 "7" at 72.63,104.9 h1 r270; Mechanical 14 "K" at 68.68,108.75 h1 r270; Mechanical 14 "J" at 67.28,108.75 h1 r270; Mechanical 14 "6" at 72.63,102.9 h1 r270; Mechanical 14 "5" at 72.63,100.9 h1 r270; Mechanical 14 "I" at 65.88,108.5 h1 r270; Mechanical 14 "H" at 64.48,108.75 h1 r270; Mechanical 14 "G" at 63.08,108.75 h1 r270; Mechanical 14 "4" at 72.63,98.9 h1 r270; Mechanical 14 "3" at 72.63,96.9 h1 r270; Mechanical 14 "2" at 72.63,94.9 h1 r270; Mechanical 14 "1" at 72.63,92.9 h1 r270; Mechanical 14 "F" at 61.68,108.75 h1 r270; Mechanical 14 "E" at 60.28,108.75 h1 r270; Mechanical 14 "D" at 58.88,108.75 h1 r270; Mechanical 14 "C" at 57.48,108.75 h1 r270; Mechanical 14 "B" at 56.08,108.75 h1 r270; Mechanical 14 "A" at 54.68,108.75 h1 r270
J16_Slot3: Drill Drawing "PRESS-FIT TECHNOLOGY" at 84.81,90.05 h1; Drill Drawing "Diam. 0.5mm +/-0.05" at 84.81,88.55 h1; Top Overlay "L" at 101.56,108.179 h1 r90; Top Overlay "8" at 104.11,106.233 h1 r90; Top Overlay "7" at 104.11,104.233 h1 r90; Top Overlay "K" at 100.16,108.083 h1 r90; Top Overlay "J" at 98.76,108.274 h1 r90; Top Overlay "6" at 104.11,102.281 h1 r90; Top Overlay "5" at 104.11,100.233 h1 r90; Top Overlay "I" at 97.36,108.5 h1 r90; Top Overlay "H" at 95.96,108.083 h1 r90; Top Overlay "G" at 94.56,108.036 h1 r90; Top Overlay "4" at 104.11,98.186 h1 r90; Top Overlay "3" at 104.11,96.233 h1 r90; Top Overlay "2" at 104.11,94.233 h1 r90; Top Overlay "1" at 104.11,92.662 h1 r90; Top Overlay "F" at 93.16,108.131 h1 r90; Top Overlay "E" at 91.76,108.131 h1 r90; Top Overlay "D" at 90.36,108.083 h1 r90; Top Overlay "C" at 88.96,108.036 h1 r90; Top Overlay "B" at 87.56,108.083 h1 r90; Top Overlay "A" at 86.16,107.988 h1 r90; Mechanical 14 "L" at 100.56,108.75 h1 r270; Mechanical 14 "8" at 103.11,106.9 h1 r270; Mechanical 14 "7" at 103.11,104.9 h1 r270; Mechanical 14 "K" at 99.16,108.75 h1 r270; Mechanical 14 "J" at 97.76,108.75 h1 r270; Mechanical 14 "6" at 103.11,102.9 h1 r270; Mechanical 14 "5" at 103.11,100.9 h1 r270; Mechanical 14 "I" at 96.36,108.5 h1 r270; Mechanical 14 "H" at 94.96,108.75 h1 r270; Mechanical 14 "G" at 93.56,108.75 h1 r270; Mechanical 14 "4" at 103.11,98.9 h1 r270; Mechanical 14 "3" at 103.11,96.9 h1 r270; Mechanical 14 "2" at 103.11,94.9 h1 r270; Mechanical 14 "1" at 103.11,92.9 h1 r270; Mechanical 14 "F" at 92.16,108.75 h1 r270; Mechanical 14 "E" at 90.76,108.75 h1 r270; Mechanical 14 "D" at 89.36,108.75 h1 r270; Mechanical 14 "C" at 87.96,108.75 h1 r270; Mechanical 14 "B" at 86.56,108.75 h1 r270; Mechanical 14 "A" at 85.16,108.75 h1 r270
J16_Slot4: Drill Drawing "PRESS-FIT TECHNOLOGY" at 115.29,90.05 h1; Drill Drawing "Diam. 0.5mm +/-0.05" at 115.29,88.55 h1; Top Overlay "L" at 132.04,108.179 h1 r90; Top Overlay "8" at 134.59,106.233 h1 r90; Top Overlay "7" at 134.59,104.233 h1 r90; Top Overlay "K" at 130.64,108.083 h1 r90; Top Overlay "J" at 129.24,108.274 h1 r90; Top Overlay "6" at 134.59,102.281 h1 r90; Top Overlay "5" at 134.59,100.233 h1 r90; Top Overlay "I" at 127.84,108.5 h1 r90; Top Overlay "H" at 126.44,108.083 h1 r90; Top Overlay "G" at 125.04,108.036 h1 r90; Top Overlay "4" at 134.59,98.186 h1 r90; Top Overlay "3" at 134.59,96.233 h1 r90; Top Overlay "2" at 134.59,94.233 h1 r90; Top Overlay "1" at 134.59,92.662 h1 r90; Top Overlay "F" at 123.64,108.131 h1 r90; Top Overlay "E" at 122.24,108.131 h1 r90; Top Overlay "D" at 120.84,108.083 h1 r90; Top Overlay "C" at 119.44,108.036 h1 r90; Top Overlay "B" at 118.04,108.083 h1 r90; Top Overlay "A" at 116.64,107.988 h1 r90; Mechanical 14 "L" at 131.04,108.75 h1 r270; Mechanical 14 "8" at 133.59,106.9 h1 r270; Mechanical 14 "7" at 133.59,104.9 h1 r270; Mechanical 14 "K" at 129.64,108.75 h1 r270; Mechanical 14 "J" at 128.24,108.75 h1 r270; Mechanical 14 "6" at 133.59,102.9 h1 r270; Mechanical 14 "5" at 133.59,100.9 h1 r270; Mechanical 14 "I" at 126.84,108.5 h1 r270; Mechanical 14 "H" at 125.44,108.75 h1 r270; Mechanical 14 "G" at 124.04,108.75 h1 r270; Mechanical 14 "4" at 133.59,98.9 h1 r270; Mechanical 14 "3" at 133.59,96.9 h1 r270; Mechanical 14 "2" at 133.59,94.9 h1 r270; Mechanical 14 "1" at 133.59,92.9 h1 r270; Mechanical 14 "F" at 122.64,108.75 h1 r270; Mechanical 14 "E" at 121.24,108.75 h1 r270; Mechanical 14 "D" at 119.84,108.75 h1 r270; Mechanical 14 "C" at 118.44,108.75 h1 r270; Mechanical 14 "B" at 117.04,108.75 h1 r270; Mechanical 14 "A" at 115.64,108.75 h1 r270
J16_Slot5: Drill Drawing "PRESS-FIT TECHNOLOGY" at 145.77,90.05 h1; Drill Drawing "Diam. 0.5mm +/-0.05" at 146.04,88.65 h1; Top Overlay "8" at 165.07,106.233 h1 r90; Top Overlay "L" at 162.52,108.179 h1 r90; Top Overlay "7" at 165.07,104.233 h1 r90; Top Overlay "K" at 161.12,108.083 h1 r90; Top Overlay "J" at 159.72,108.274 h1 r90; Top Overlay "6" at 165.07,102.281 h1 r90; Top Overlay "5" at 165.07,100.233 h1 r90; Top Overlay "I" at 158.32,108.5 h1 r90; Top Overlay "H" at 156.92,108.083 h1 r90; Top Overlay "G" at 155.52,108.036 h1 r90; Top Overlay "4" at 165.07,98.186 h1 r90; Top Overlay "3" at 165.07,96.233 h1 r90; Top Overlay "2" at 165.07,94.233 h1 r90; Top Overlay "1" at 165.07,92.662 h1 r90; Top Overlay "F" at 154.12,108.131 h1 r90; Top Overlay "E" at 152.72,108.131 h1 r90; Top Overlay "D" at 151.32,108.083 h1 r90; Top Overlay "C" at 149.92,108.036 h1 r90; Top Overlay "B" at 148.52,108.083 h1 r90; Top Overlay "A" at 147.12,107.988 h1 r90; Mechanical 14 "L" at 161.52,108.75 h1 r270; Mechanical 14 "8" at 164.07,106.9 h1 r270; Mechanical 14 "7" at 164.07,104.9 h1 r270; Mechanical 14 "K" at 160.12,108.75 h1 r270; Mechanical 14 "J" at 158.72,108.75 h1 r270; Mechanical 14 "6" at 164.07,102.9 h1 r270; Mechanical 14 "5" at 164.07,100.9 h1 r270; Mechanical 14 "I" at 157.32,108.5 h1 r270; Mechanical 14 "H" at 155.92,108.75 h1 r270; Mechanical 14 "G" at 154.52,108.75 h1 r270; Mechanical 14 "4" at 164.07,98.9 h1 r270; Mechanical 14 "3" at 164.07,96.9 h1 r270; Mechanical 14 "2" at 164.07,94.9 h1 r270; Mechanical 14 "1" at 164.07,92.9 h1 r270; Mechanical 14 "F" at 153.12,108.75 h1 r270; Mechanical 14 "E" at 151.72,108.75 h1 r270; Mechanical 14 "D" at 150.32,108.75 h1 r270; Mechanical 14 "C" at 148.92,108.75 h1 r270; Mechanical 14 "B" at 147.52,108.75 h1 r270; Mechanical 14 "A" at 146.12,108.75 h1 r270
J16_Slot6: Drill Drawing "PRESS-FIT TECHNOLOGY" at 176.25,90.05 h1; Drill Drawing "Diam. 0.5mm +/-0.05" at 176.25,88.55 h1; Top Overlay "L" at 193,108.179 h1 r90; Top Overlay "8" at 195.55,106.233 h1 r90; Top Overlay "7" at 195.55,104.233 h1 r90; Top Overlay "K" at 191.6,108.083 h1 r90; Top Overlay "J" at 190.2,108.274 h1 r90; Top Overlay "6" at 195.55,102.281 h1 r90; Top Overlay "5" at 195.55,100.233 h1 r90; Top Overlay "I" at 188.8,108.5 h1 r90; Top Overlay "H" at 187.4,108.083 h1 r90; Top Overlay "G" at 186,108.036 h1 r90; Top Overlay "4" at 195.55,98.186 h1 r90; Top Overlay "3" at 195.55,96.233 h1 r90; Top Overlay "2" at 195.55,94.233 h1 r90; Top Overlay "1" at 195.55,92.662 h1 r90; Top Overlay "F" at 184.6,108.131 h1 r90; Top Overlay "E" at 183.2,108.131 h1 r90; Top Overlay "D" at 181.8,108.083 h1 r90; Top Overlay "C" at 180.4,108.036 h1 r90; Top Overlay "B" at 179,108.083 h1 r90; Top Overlay "A" at 177.6,107.988 h1 r90; Mechanical 14 "L" at 192,108.75 h1 r270; Mechanical 14 "8" at 194.55,106.9 h1 r270; Mechanical 14 "7" at 194.55,104.9 h1 r270; Mechanical 14 "K" at 190.6,108.75 h1 r270; Mechanical 14 "J" at 189.2,108.75 h1 r270; Mechanical 14 "6" at 194.55,102.9 h1 r270; Mechanical 14 "5" at 194.55,100.9 h1 r270; Mechanical 14 "I" at 187.8,108.5 h1 r270; Mechanical 14 "H" at 186.4,108.75 h1 r270; Mechanical 14 "G" at 185,108.75 h1 r270; Mechanical 14 "4" at 194.55,98.9 h1 r270; Mechanical 14 "3" at 194.55,96.9 h1 r270; Mechanical 14 "2" at 194.55,94.9 h1 r270; Mechanical 14 "1" at 194.55,92.9 h1 r270; Mechanical 14 "F" at 183.6,108.75 h1 r270; Mechanical 14 "E" at 182.2,108.75 h1 r270; Mechanical 14 "D" at 180.8,108.75 h1 r270; Mechanical 14 "C" at 179.4,108.75 h1 r270; Mechanical 14 "B" at 178,108.75 h1 r270; Mechanical 14 "A" at 176.6,108.75 h1 r270
J16_Slot7: Drill Drawing "PRESS-FIT TECHNOLOGY" at 206.73,90.05 h1; Drill Drawing "Diam. 0.5mm +/-0.05" at 206.73,88.55 h1; Top Overlay "L" at 223.48,108.179 h1 r90; Top Overlay "8" at 226.03,106.233 h1 r90; Top Overlay "7" at 226.03,104.233 h1 r90; Top Overlay "K" at 222.08,108.083 h1 r90; Top Overlay "J" at 220.68,108.274 h1 r90; Top Overlay "6" at 226.03,102.281 h1 r90; Top Overlay "5" at 226.03,100.233 h1 r90; Top Overlay "I" at 219.28,108.5 h1 r90; Top Overlay "H" at 217.88,108.083 h1 r90; Top Overlay "G" at 216.48,108.036 h1 r90; Top Overlay "4" at 226.03,98.186 h1 r90; Top Overlay "3" at 226.03,96.233 h1 r90; Top Overlay "2" at 226.03,94.233 h1 r90; Top Overlay "1" at 226.03,92.662 h1 r90; Top Overlay "F" at 215.08,108.131 h1 r90; Top Overlay "E" at 213.68,108.131 h1 r90; Top Overlay "D" at 212.28,108.083 h1 r90; Top Overlay "C" at 210.88,108.036 h1 r90; Top Overlay "B" at 209.48,108.083 h1 r90; Top Overlay "A" at 208.08,107.988 h1 r90; Mechanical 14 "L" at 222.48,108.75 h1 r270; Mechanical 14 "8" at 225.03,106.9 h1 r270; Mechanical 14 "7" at 225.03,104.9 h1 r270; Mechanical 14 "K" at 221.08,108.75 h1 r270; Mechanical 14 "J" at 219.68,108.75 h1 r270; Mechanical 14 "6" at 225.03,102.9 h1 r270; Mechanical 14 "5" at 225.03,100.9 h1 r270; Mechanical 14 "I" at 218.28,108.5 h1 r270; Mechanical 14 "H" at 216.88,108.75 h1 r270; Mechanical 14 "G" at 215.48,108.75 h1 r270; Mechanical 14 "4" at 225.03,98.9 h1 r270; Mechanical 14 "3" at 225.03,96.9 h1 r270; Mechanical 14 "2" at 225.03,94.9 h1 r270; Mechanical 14 "1" at 225.03,92.9 h1 r270; Mechanical 14 "F" at 214.08,108.75 h1 r270; Mechanical 14 "E" at 212.68,108.75 h1 r270; Mechanical 14 "D" at 211.28,108.75 h1 r270; Mechanical 14 "C" at 209.88,108.75 h1 r270; Mechanical 14 "B" at 208.48,108.75 h1 r270; Mechanical 14 "A" at 207.08,108.75 h1 r270
J16_Slot8: Drill Drawing "PRESS-FIT TECHNOLOGY" at 237.21,90.05 h1; Drill Drawing "Diam. 0.5mm +/-0.05" at 237.21,88.55 h1; Top Overlay "L" at 253.96,108.179 h1 r90; Top Overlay "8" at 256.51,106.233 h1 r90; Top Overlay "7" at 256.51,104.233 h1 r90; Top Overlay "K" at 252.56,108.083 h1 r90; Top Overlay "J" at 251.16,108.274 h1 r90; Top Overlay "6" at 256.51,102.281 h1 r90; Top Overlay "5" at 256.51,100.233 h1 r90; Top Overlay "I" at 249.76,108.5 h1 r90; Top Overlay "H" at 248.36,108.083 h1 r90; Top Overlay "G" at 246.96,108.036 h1 r90; Top Overlay "4" at 256.51,98.186 h1 r90; Top Overlay "3" at 256.51,96.233 h1 r90; Top Overlay "2" at 256.51,94.233 h1 r90; Top Overlay "1" at 256.51,92.662 h1 r90; Top Overlay "F" at 245.56,108.131 h1 r90; Top Overlay "E" at 244.16,108.131 h1 r90; Top Overlay "D" at 242.76,108.083 h1 r90; Top Overlay "C" at 241.36,108.036 h1 r90; Top Overlay "B" at 239.96,108.083 h1 r90; Top Overlay "A" at 238.56,107.988 h1 r90; Mechanical 14 "L" at 252.96,108.75 h1 r270; Mechanical 14 "8" at 255.51,106.9 h1 r270; Mechanical 14 "7" at 255.51,104.9 h1 r270; Mechanical 14 "K" at 251.56,108.75 h1 r270; Mechanical 14 "J" at 250.16,108.75 h1 r270; Mechanical 14 "6" at 255.51,102.9 h1 r270; Mechanical 14 "5" at 255.51,100.9 h1 r270; Mechanical 14 "I" at 248.76,108.5 h1 r270; Mechanical 14 "H" at 247.36,108.75 h1 r270; Mechanical 14 "G" at 245.96,108.75 h1 r270; Mechanical 14 "4" at 255.51,98.9 h1 r270; Mechanical 14 "3" at 255.51,96.9 h1 r270; Mechanical 14 "2" at 255.51,94.9 h1 r270; Mechanical 14 "1" at 255.51,92.9 h1 r270; Mechanical 14 "F" at 244.56,108.75 h1 r270; Mechanical 14 "E" at 243.16,108.75 h1 r270; Mechanical 14 "D" at 241.76,108.75 h1 r270; Mechanical 14 "C" at 240.36,108.75 h1 r270; Mechanical 14 "B" at 238.96,108.75 h1 r270; Mechanical 14 "A" at 237.56,108.75 h1 r270
J23_Slot1: Drill Drawing "Diam. 0.5mm +/-0.05" at 24.169,59.913 h1; Drill Drawing "PRESS-FIT TECHNOLOGY" at 24.169,61.413 h1; Bottom Overlay "8" at 42.9,58.2 h1 r270; Bottom Overlay "7" at 42.9,56.2 h1 r270; Bottom Overlay "6" at 42.9,54.2 h1 r270; Bottom Overlay "5" at 42.9,52.2 h1 r270; Bottom Overlay "4" at 42.9,50.2 h1 r270; Bottom Overlay "3" at 42.9,48.2 h1 r270; Bottom Overlay "2" at 42.9,46.2 h1 r270; Bottom Overlay "1" at 42.9,44.2 h1 r270; Bottom Overlay "L" at 39.6,42.35 h1 r270; Bottom Overlay "K" at 38.2,42.35 h1 r270; Bottom Overlay "J" at 36.8,42.35 h1 r270; Bottom Overlay "I" at 35.4,42.6 h1 r270; Bottom Overlay "H" at 34,42.35 h1 r270; Bottom Overlay "G" at 32.6,42.35 h1 r270; Bottom Overlay "F" at 31.2,42.35 h1 r270; Bottom Overlay "E" at 29.8,42.35 h1 r270; Bottom Overlay "D" at 28.4,42.35 h1 r270; Bottom Overlay "C" at 27,42.35 h1 r270; Bottom Overlay "B" at 25.6,42.35 h1 r270; Bottom Overlay "A" at 24.2,42.35 h1 r270; Mechanical 14 "8" at 42.9,58.2 h1 r270; Mechanical 14 "7" at 42.9,56.2 h1 r270; Mechanical 14 "6" at 42.9,54.2 h1 r270; Mechanical 14 "5" at 42.9,52.2 h1 r270; Mechanical 14 "4" at 42.9,50.2 h1 r270; Mechanical 14 "3" at 42.9,48.2 h1 r270; Mechanical 14 "2" at 42.9,46.2 h1 r270; Mechanical 14 "1" at 42.9,44.2 h1 r270; Mechanical 14 "L" at 39.6,42.35 h1 r270; Mechanical 14 "K" at 38.2,42.35 h1 r270; Mechanical 14 "J" at 36.8,42.35 h1 r270; Mechanical 14 "I" at 35.4,42.6 h1 r270; Mechanical 14 "H" at 34,42.35 h1 r270; Mechanical 14 "G" at 32.6,42.35 h1 r270; Mechanical 14 "F" at 31.2,42.35 h1 r270; Mechanical 14 "E" at 29.8,42.35 h1 r270; Mechanical 14 "C" at 27,42.35 h1 r270; Mechanical 14 "D" at 28.4,42.35 h1 r270; Mechanical 14 "B" at 25.6,42.35 h1 r270; Mechanical 14 "A" at 24.2,42.35 h1 r270